# Altium PCB Mutiple.PcbDoc (part 3 of 3) (continued)
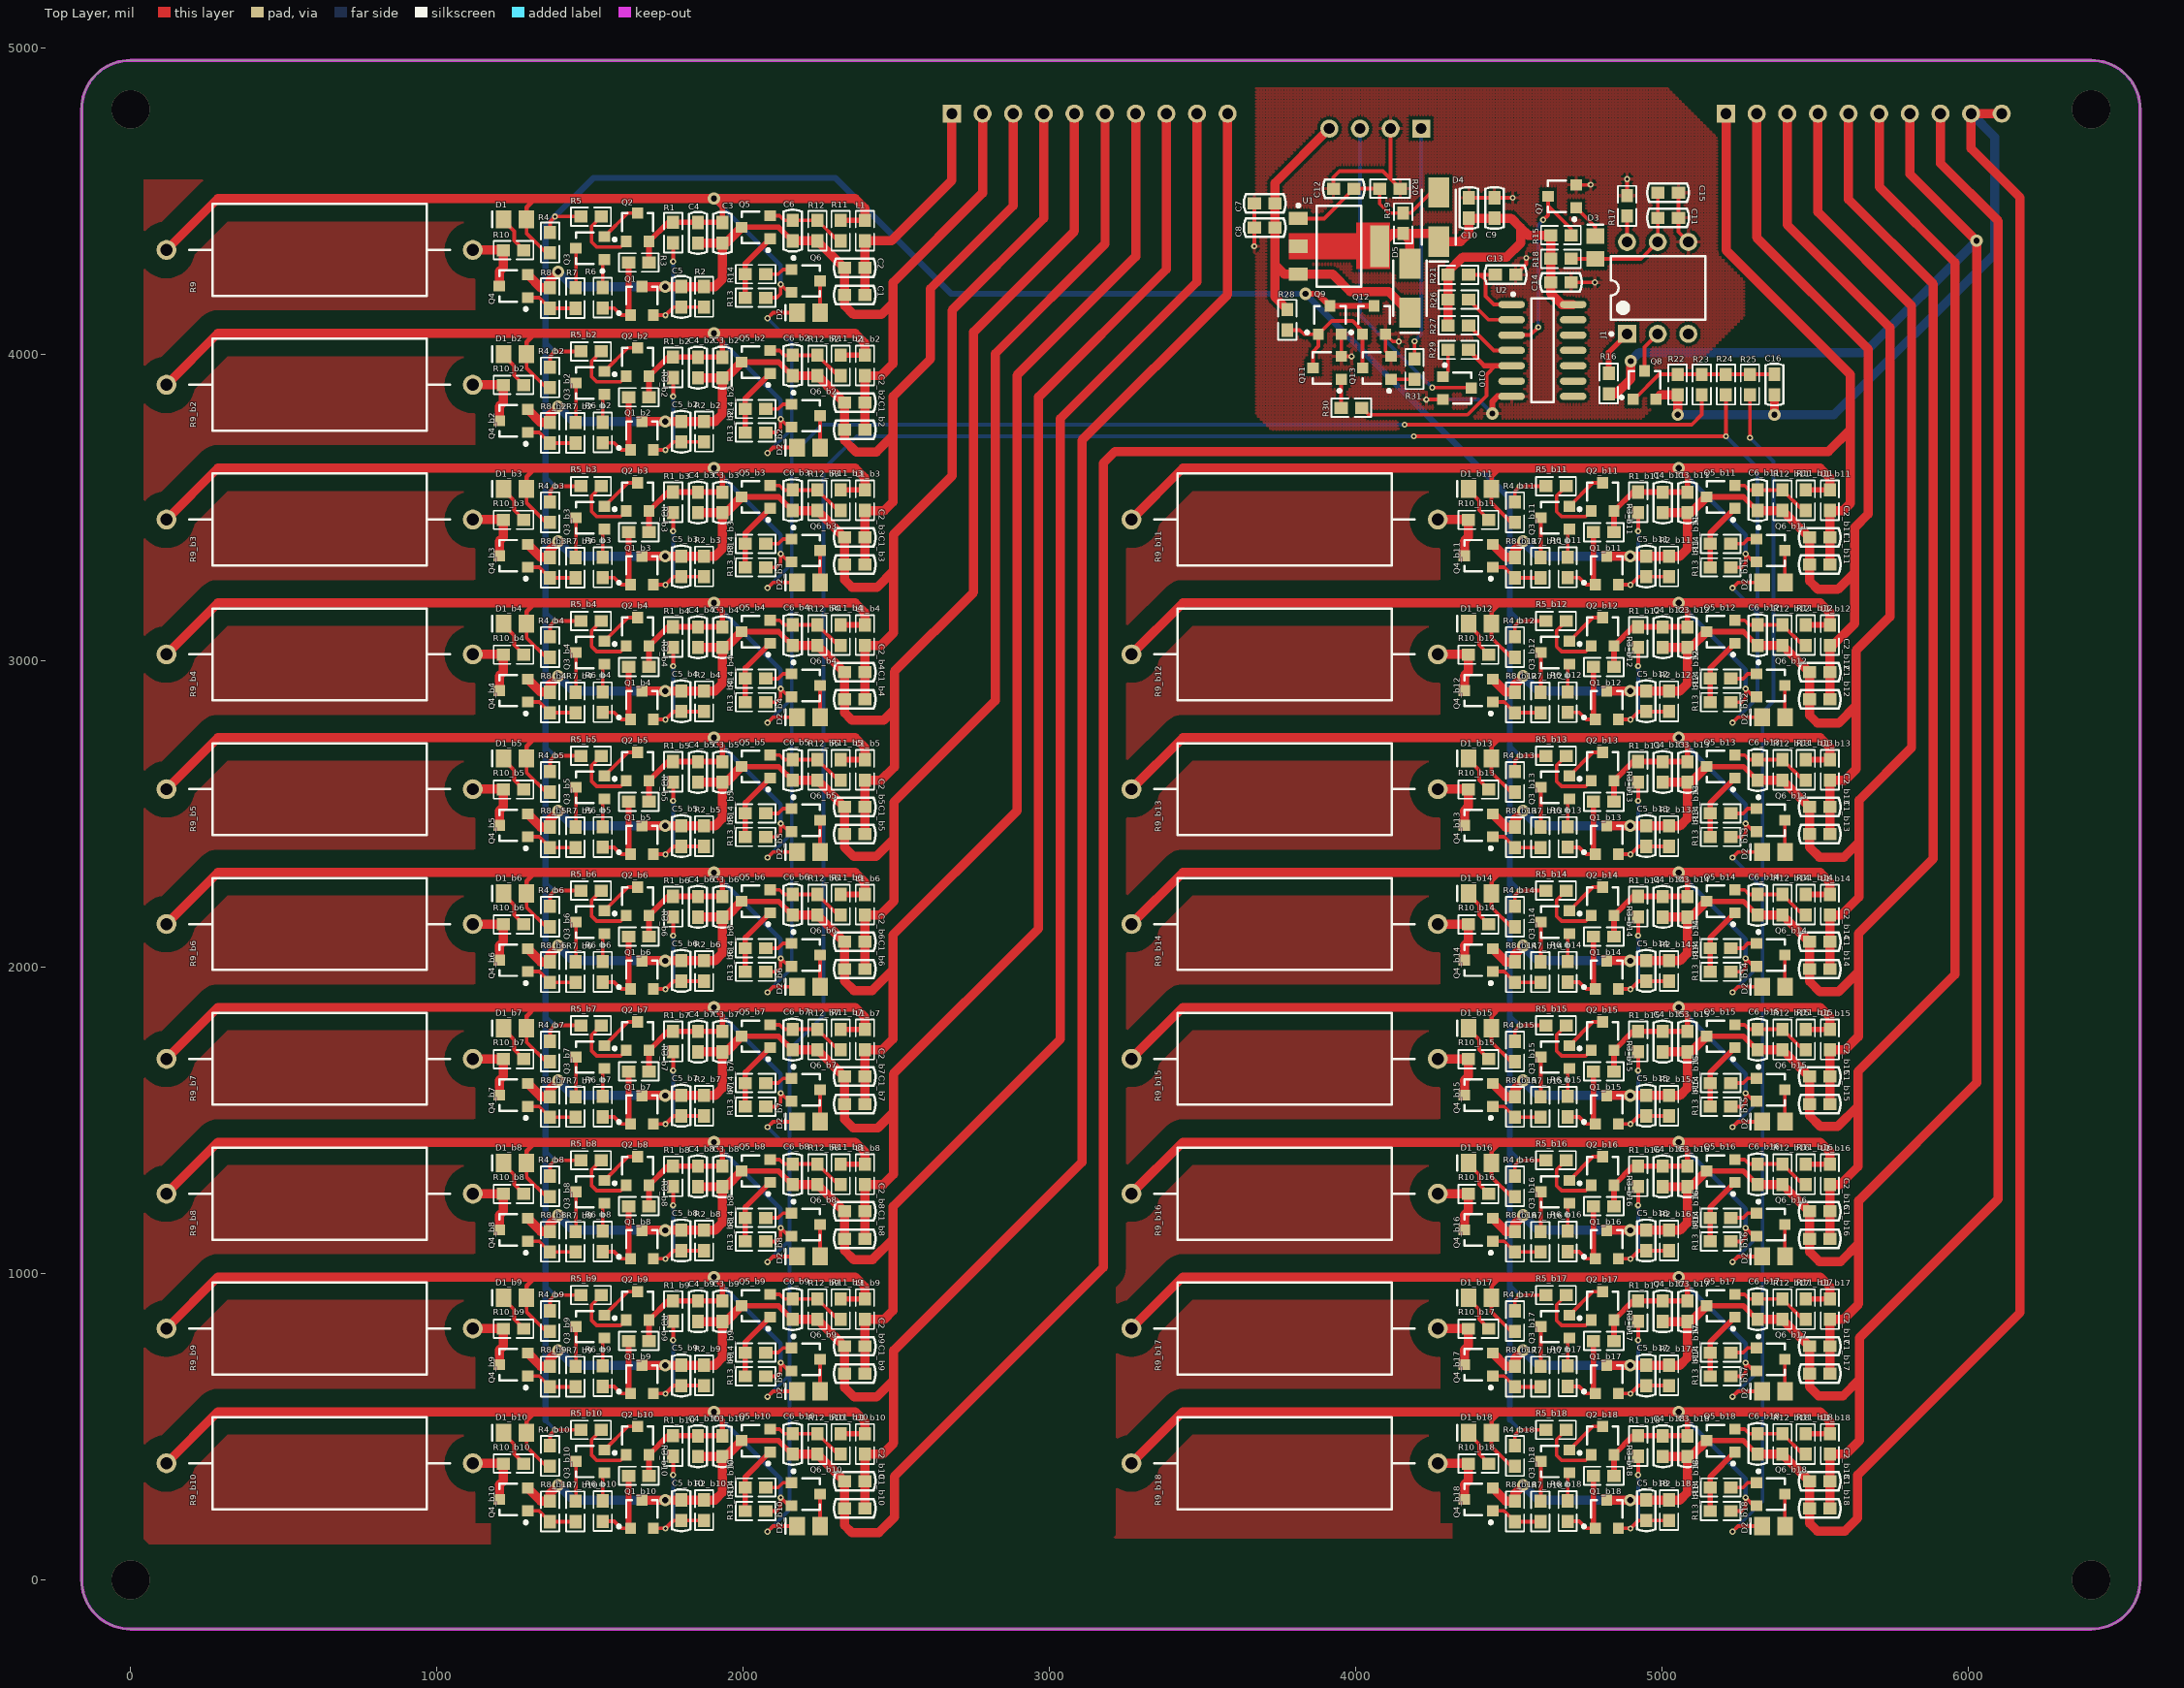
[diagram p0: Top Layer view]
## Nets (pads, with @x,y where several pads share a name; then routed paths per layer and width w, separated by ;. In a path a pad name is that pad's centre, name@x,y a point inside that pad or via, vN(x,y) a via of type N, cw(c..) or ccw(c..) an arc to the next point about the centre after c; other vN are vias at no path point) (continued)
NetQ2_b16_3: Q2_b16.3 Q3_b16.2 | length 140.6
  Top Layer w12: Q3_b16.2@4696.26,1304.4 4773.12,1381.26 Q2_b16.3@4805,1381.26
NetQ2_b17_1: Q2_b17.1 R5_b17.1 | length 223.1
  Top Layer w12: R5_b17.1@4686.46,930 4655,898.54 4655,846.62 4670.93,830.69 4749.54,830.69 Q2_b17.1@4767.6,848.74
NetQ2_b17_3: Q2_b17.3 Q3_b17.2 | length 140.6
  Top Layer w12: Q3_b17.2@4696.26,864.4 4773.12,941.26 Q2_b17.3@4805,941.26
NetQ2_b18_1: Q2_b18.1 R5_b18.1 | length 223.1
  Top Layer w12: R5_b18.1@4686.46,490 4655,458.54 4655,406.62 4670.93,390.69 4749.54,390.69 Q2_b18.1@4767.6,408.74
NetQ2_b18_3: Q2_b18.3 Q3_b18.2 | length 140.6
  Top Layer w12: Q3_b18.2@4696.26,424.4 4773.12,501.26 Q2_b18.3@4805,501.26
NetQ3_1: Q3.1 R6.1 | length 93.3
  Top Layer w12: R6.1@1541,4218.46 1541,4304.34 Q3.1@1546.26,4309.6
NetQ3_3: Q3.3 R7.1 | length 130.3
  Top Layer w12: R7.1@1452,4217.46 1453.74,4219.2 Q3.3@1453.74,4347
NetQ3_b2_1: Q3_b2.1 R6_b2.1 | length 93.3
  Top Layer w12: R6_b2.1@1541,3778.46 1541,3864.34 Q3_b2.1@1546.26,3869.6
NetQ3_b2_3: Q3_b2.3 R7_b2.1 | length 130.3
  Top Layer w12: R7_b2.1@1452,3777.46 1453.74,3779.2 Q3_b2.3@1453.74,3907
NetQ3_b3_1: Q3_b3.1 R6_b3.1 | length 93.3
  Top Layer w12: R6_b3.1@1541,3338.46 1541,3424.34 Q3_b3.1@1546.26,3429.6
NetQ3_b3_3: Q3_b3.3 R7_b3.1 | length 130.3
  Top Layer w12: R7_b3.1@1452,3337.46 1453.74,3339.2 Q3_b3.3@1453.74,3467
NetQ3_b4_1: Q3_b4.1 R6_b4.1 | length 93.3
  Top Layer w12: R6_b4.1@1541,2898.46 1541,2984.34 Q3_b4.1@1546.26,2989.6
NetQ3_b4_3: Q3_b4.3 R7_b4.1 | length 130.3
  Top Layer w12: R7_b4.1@1452,2897.46 1453.74,2899.2 Q3_b4.3@1453.74,3027
NetQ3_b5_1: Q3_b5.1 R6_b5.1 | length 93.3
  Top Layer w12: R6_b5.1@1541,2458.46 1541,2544.34 Q3_b5.1@1546.26,2549.6
NetQ3_b5_3: Q3_b5.3 R7_b5.1 | length 130.3
  Top Layer w12: R7_b5.1@1452,2457.46 1453.74,2459.2 Q3_b5.3@1453.74,2587
NetQ3_b6_1: Q3_b6.1 R6_b6.1 | length 93.3
  Top Layer w12: R6_b6.1@1541,2018.46 1541,2104.34 Q3_b6.1@1546.26,2109.6
NetQ3_b6_3: Q3_b6.3 R7_b6.1 | length 130.3
  Top Layer w12: R7_b6.1@1452,2017.46 1453.74,2019.2 Q3_b6.3@1453.74,2147
NetQ3_b7_1: Q3_b7.1 R6_b7.1 | length 93.3
  Top Layer w12: R6_b7.1@1541,1578.46 1541,1664.34 Q3_b7.1@1546.26,1669.6
NetQ3_b7_3: Q3_b7.3 R7_b7.1 | length 130.3
  Top Layer w12: R7_b7.1@1452,1577.46 1453.74,1579.2 Q3_b7.3@1453.74,1707
NetQ3_b8_1: Q3_b8.1 R6_b8.1 | length 93.3
  Top Layer w12: R6_b8.1@1541,1138.46 1541,1224.34 Q3_b8.1@1546.26,1229.6
NetQ3_b8_3: Q3_b8.3 R7_b8.1 | length 130.3
  Top Layer w12: R7_b8.1@1452,1137.46 1453.74,1139.2 Q3_b8.3@1453.74,1267
NetQ3_b9_1: Q3_b9.1 R6_b9.1 | length 93.3
  Top Layer w12: R6_b9.1@1541,698.46 1541,784.34 Q3_b9.1@1546.26,789.6
NetQ3_b9_3: Q3_b9.3 R7_b9.1 | length 130.3
  Top Layer w12: R7_b9.1@1452,697.46 1453.74,699.2 Q3_b9.3@1453.74,827
NetQ3_b10_1: Q3_b10.1 R6_b10.1 | length 93.3
  Top Layer w12: R6_b10.1@1541,258.46 1541,344.34 Q3_b10.1@1546.26,349.6
NetQ3_b10_3: Q3_b10.3 R7_b10.1 | length 130.3
  Top Layer w12: R7_b10.1@1452,257.46 1453.74,259.2 Q3_b10.3@1453.74,387
NetQ3_b11_1: Q3_b11.1 R6_b11.1 | length 93.3
  Top Layer w12: R6_b11.1@4691,3338.46 4691,3424.34 Q3_b11.1@4696.26,3429.6
NetQ3_b11_3: Q3_b11.3 R7_b11.1 | length 130.3
  Top Layer w12: R7_b11.1@4602,3337.46 4603.74,3339.2 Q3_b11.3@4603.74,3467
NetQ3_b12_1: Q3_b12.1 R6_b12.1 | length 93.3
  Top Layer w12: R6_b12.1@4691,2898.46 4691,2984.34 Q3_b12.1@4696.26,2989.6
NetQ3_b12_3: Q3_b12.3 R7_b12.1 | length 130.3
  Top Layer w12: R7_b12.1@4602,2897.46 4603.74,2899.2 Q3_b12.3@4603.74,3027
NetQ3_b13_1: Q3_b13.1 R6_b13.1 | length 93.3
  Top Layer w12: R6_b13.1@4691,2458.46 4691,2544.34 Q3_b13.1@4696.26,2549.6
NetQ3_b13_3: Q3_b13.3 R7_b13.1 | length 130.3
  Top Layer w12: R7_b13.1@4602,2457.46 4603.74,2459.2 Q3_b13.3@4603.74,2587
NetQ3_b14_1: Q3_b14.1 R6_b14.1 | length 93.3
  Top Layer w12: R6_b14.1@4691,2018.46 4691,2104.34 Q3_b14.1@4696.26,2109.6
NetQ3_b14_3: Q3_b14.3 R7_b14.1 | length 130.3
  Top Layer w12: R7_b14.1@4602,2017.46 4603.74,2019.2 Q3_b14.3@4603.74,2147
NetQ3_b15_1: Q3_b15.1 R6_b15.1 | length 93.3
  Top Layer w12: R6_b15.1@4691,1578.46 4691,1664.34 Q3_b15.1@4696.26,1669.6
NetQ3_b15_3: Q3_b15.3 R7_b15.1 | length 130.3
  Top Layer w12: R7_b15.1@4602,1577.46 4603.74,1579.2 Q3_b15.3@4603.74,1707
NetQ3_b16_1: Q3_b16.1 R6_b16.1 | length 93.3
  Top Layer w12: R6_b16.1@4691,1138.46 4691,1224.34 Q3_b16.1@4696.26,1229.6
NetQ3_b16_3: Q3_b16.3 R7_b16.1 | length 130.3
  Top Layer w12: R7_b16.1@4602,1137.46 4603.74,1139.2 Q3_b16.3@4603.74,1267
NetQ3_b17_1: Q3_b17.1 R6_b17.1 | length 93.3
  Top Layer w12: R6_b17.1@4691,698.46 4691,784.34 Q3_b17.1@4696.26,789.6
NetQ3_b17_3: Q3_b17.3 R7_b17.1 | length 130.3
  Top Layer w12: R7_b17.1@4602,697.46 4603.74,699.2 Q3_b17.3@4603.74,827
NetQ3_b18_1: Q3_b18.1 R6_b18.1 | length 93.3
  Top Layer w12: R6_b18.1@4691,258.46 4691,344.34 Q3_b18.1@4696.26,349.6
NetQ3_b18_3: Q3_b18.3 R7_b18.1 | length 130.3
  Top Layer w12: R7_b18.1@4602,257.46 4603.74,259.2 Q3_b18.3@4603.74,387
NetQ4_1: Q4.1 R7.2 R8.2 | length 170.3
  Top Layer w12: Q4.1@1296.26,4185.6 1333.94,4185.6 R8.2@1369,4150.54 R7.2@1452,4150.54
NetQ4_3: Q4.3 R9.1 R10.1 | length 220.8
  Top Layer w30: R9.1@1117,4341 R10.1@1215.54,4341 ; Q4.3@1203.74,4223 1203.74,4270.74 1216.54,4283.54 R10.1@1216.54,4340
NetQ4_b2_1: Q4_b2.1 R7_b2.2 R8_b2.2 | length 170.3
  Top Layer w12: Q4_b2.1@1296.26,3745.6 1333.94,3745.6 R8_b2.2@1369,3710.54 R7_b2.2@1452,3710.54
NetQ4_b2_3: Q4_b2.3 R9_b2.1 R10_b2.1 | length 220.8
  Top Layer w30: R9_b2.1@1117,3901 R10_b2.1@1215.54,3901 ; Q4_b2.3@1203.74,3783 1203.74,3830.74 1216.54,3843.54 R10_b2.1@1216.54,3900
NetQ4_b3_1: Q4_b3.1 R7_b3.2 R8_b3.2 | length 170.3
  Top Layer w12: Q4_b3.1@1296.26,3305.6 1333.94,3305.6 R8_b3.2@1369,3270.54 R7_b3.2@1452,3270.54
NetQ4_b3_3: Q4_b3.3 R9_b3.1 R10_b3.1 | length 220.8
  Top Layer w30: R9_b3.1@1117,3461 R10_b3.1@1215.54,3461 ; Q4_b3.3@1203.74,3343 1203.74,3390.74 1216.54,3403.54 R10_b3.1@1216.54,3460
NetQ4_b4_1: Q4_b4.1 R7_b4.2 R8_b4.2 | length 170.3
  Top Layer w12: Q4_b4.1@1296.26,2865.6 1333.94,2865.6 R8_b4.2@1369,2830.54 R7_b4.2@1452,2830.54
NetQ4_b4_3: Q4_b4.3 R9_b4.1 R10_b4.1 | length 220.8
  Top Layer w30: R9_b4.1@1117,3021 R10_b4.1@1215.54,3021 ; Q4_b4.3@1203.74,2903 1203.74,2950.74 1216.54,2963.54 R10_b4.1@1216.54,3020
NetQ4_b5_1: Q4_b5.1 R7_b5.2 R8_b5.2 | length 170.3
  Top Layer w12: Q4_b5.1@1296.26,2425.6 1333.94,2425.6 R8_b5.2@1369,2390.54 R7_b5.2@1452,2390.54
NetQ4_b5_3: Q4_b5.3 R9_b5.1 R10_b5.1 | length 220.8
  Top Layer w30: R9_b5.1@1117,2581 R10_b5.1@1215.54,2581 ; Q4_b5.3@1203.74,2463 1203.74,2510.74 1216.54,2523.54 R10_b5.1@1216.54,2580
NetQ4_b6_1: Q4_b6.1 R7_b6.2 R8_b6.2 | length 170.3
  Top Layer w12: Q4_b6.1@1296.26,1985.6 1333.94,1985.6 R8_b6.2@1369,1950.54 R7_b6.2@1452,1950.54
NetQ4_b6_3: Q4_b6.3 R9_b6.1 R10_b6.1 | length 220.8
  Top Layer w30: R9_b6.1@1117,2141 R10_b6.1@1215.54,2141 ; Q4_b6.3@1203.74,2023 1203.74,2070.74 1216.54,2083.54 R10_b6.1@1216.54,2140
NetQ4_b7_1: Q4_b7.1 R7_b7.2 R8_b7.2 | length 170.3
  Top Layer w12: Q4_b7.1@1296.26,1545.6 1333.94,1545.6 R8_b7.2@1369,1510.54 R7_b7.2@1452,1510.54
NetQ4_b7_3: Q4_b7.3 R9_b7.1 R10_b7.1 | length 220.8
  Top Layer w30: R9_b7.1@1117,1701 R10_b7.1@1215.54,1701 ; Q4_b7.3@1203.74,1583 1203.74,1630.74 1216.54,1643.54 R10_b7.1@1216.54,1700
NetQ4_b8_1: Q4_b8.1 R7_b8.2 R8_b8.2 | length 170.3
  Top Layer w12: Q4_b8.1@1296.26,1105.6 1333.94,1105.6 R8_b8.2@1369,1070.54 R7_b8.2@1452,1070.54
NetQ4_b8_3: Q4_b8.3 R9_b8.1 R10_b8.1 | length 220.8
  Top Layer w30: R9_b8.1@1117,1261 R10_b8.1@1215.54,1261 ; Q4_b8.3@1203.74,1143 1203.74,1190.74 1216.54,1203.54 R10_b8.1@1216.54,1260
NetQ4_b9_1: Q4_b9.1 R7_b9.2 R8_b9.2 | length 170.3
  Top Layer w12: Q4_b9.1@1296.26,665.6 1333.94,665.6 R8_b9.2@1369,630.54 R7_b9.2@1452,630.54
NetQ4_b9_3: Q4_b9.3 R9_b9.1 R10_b9.1 | length 220.8
  Top Layer w30: R9_b9.1@1117,821 R10_b9.1@1215.54,821 ; Q4_b9.3@1203.74,703 1203.74,750.74 1216.54,763.54 R10_b9.1@1216.54,820
NetQ4_b10_1: Q4_b10.1 R7_b10.2 R8_b10.2 | length 170.3
  Top Layer w12: Q4_b10.1@1296.26,225.6 1333.94,225.6 R8_b10.2@1369,190.54 R7_b10.2@1452,190.54
NetQ4_b10_3: Q4_b10.3 R9_b10.1 R10_b10.1 | length 220.8
  Top Layer w30: R9_b10.1@1117,381 R10_b10.1@1215.54,381 ; Q4_b10.3@1203.74,263 1203.74,310.74 1216.54,323.54 R10_b10.1@1216.54,380
NetQ4_b11_1: Q4_b11.1 R7_b11.2 R8_b11.2 | length 170.3
  Top Layer w12: Q4_b11.1@4446.26,3305.6 4483.94,3305.6 R8_b11.2@4519,3270.54 R7_b11.2@4602,3270.54
NetQ4_b11_3: Q4_b11.3 R9_b11.1 R10_b11.1 | length 220.8
  Top Layer w30: R9_b11.1@4267,3461 R10_b11.1@4365.54,3461 ; Q4_b11.3@4353.74,3343 4353.74,3390.74 4366.54,3403.54 R10_b11.1@4366.54,3460
NetQ4_b12_1: Q4_b12.1 R7_b12.2 R8_b12.2 | length 170.3
  Top Layer w12: Q4_b12.1@4446.26,2865.6 4483.94,2865.6 R8_b12.2@4519,2830.54 R7_b12.2@4602,2830.54
NetQ4_b12_3: Q4_b12.3 R9_b12.1 R10_b12.1 | length 220.8
  Top Layer w30: R9_b12.1@4267,3021 R10_b12.1@4365.54,3021 ; Q4_b12.3@4353.74,2903 4353.74,2950.74 4366.54,2963.54 R10_b12.1@4366.54,3020
NetQ4_b13_1: Q4_b13.1 R7_b13.2 R8_b13.2 | length 170.3
  Top Layer w12: Q4_b13.1@4446.26,2425.6 4483.94,2425.6 R8_b13.2@4519,2390.54 R7_b13.2@4602,2390.54
NetQ4_b13_3: Q4_b13.3 R9_b13.1 R10_b13.1 | length 220.8
  Top Layer w30: R9_b13.1@4267,2581 R10_b13.1@4365.54,2581 ; Q4_b13.3@4353.74,2463 4353.74,2510.74 4366.54,2523.54 R10_b13.1@4366.54,2580
NetQ4_b14_1: Q4_b14.1 R7_b14.2 R8_b14.2 | length 170.3
  Top Layer w12: Q4_b14.1@4446.26,1985.6 4483.94,1985.6 R8_b14.2@4519,1950.54 R7_b14.2@4602,1950.54
NetQ4_b14_3: Q4_b14.3 R9_b14.1 R10_b14.1 | length 220.8
  Top Layer w30: R9_b14.1@4267,2141 R10_b14.1@4365.54,2141 ; Q4_b14.3@4353.74,2023 4353.74,2070.74 4366.54,2083.54 R10_b14.1@4366.54,2140
NetQ4_b15_1: Q4_b15.1 R7_b15.2 R8_b15.2 | length 170.3
  Top Layer w12: Q4_b15.1@4446.26,1545.6 4483.94,1545.6 R8_b15.2@4519,1510.54 R7_b15.2@4602,1510.54
NetQ4_b15_3: Q4_b15.3 R9_b15.1 R10_b15.1 | length 220.8
  Top Layer w30: R9_b15.1@4267,1701 R10_b15.1@4365.54,1701 ; Q4_b15.3@4353.74,1583 4353.74,1630.74 4366.54,1643.54 R10_b15.1@4366.54,1700
NetQ4_b16_1: Q4_b16.1 R7_b16.2 R8_b16.2 | length 170.3
  Top Layer w12: Q4_b16.1@4446.26,1105.6 4483.94,1105.6 R8_b16.2@4519,1070.54 R7_b16.2@4602,1070.54
NetQ4_b16_3: Q4_b16.3 R9_b16.1 R10_b16.1 | length 220.8
  Top Layer w30: R9_b16.1@4267,1261 R10_b16.1@4365.54,1261 ; Q4_b16.3@4353.74,1143 4353.74,1190.74 4366.54,1203.54 R10_b16.1@4366.54,1260
NetQ4_b17_1: Q4_b17.1 R7_b17.2 R8_b17.2 | length 170.3
  Top Layer w12: Q4_b17.1@4446.26,665.6 4483.94,665.6 R8_b17.2@4519,630.54 R7_b17.2@4602,630.54
NetQ4_b17_3: Q4_b17.3 R9_b17.1 R10_b17.1 | length 220.8
  Top Layer w30: R9_b17.1@4267,821 R10_b17.1@4365.54,821 ; Q4_b17.3@4353.74,703 4353.74,750.74 4366.54,763.54 R10_b17.1@4366.54,820
NetQ4_b18_1: Q4_b18.1 R7_b18.2 R8_b18.2 | length 170.3
  Top Layer w12: Q4_b18.1@4446.26,225.6 4483.94,225.6 R8_b18.2@4519,190.54 R7_b18.2@4602,190.54
NetQ4_b18_3: Q4_b18.3 R9_b18.1 R10_b18.1 | length 220.8
  Top Layer w30: R9_b18.1@4267,381 R10_b18.1@4365.54,381 ; Q4_b18.3@4353.74,263 4353.74,310.74 4366.54,323.54 R10_b18.1@4366.54,380
NetQ5_1: Q5.1 R13.1 R14.2 | length 226
  Top Layer w18: R13.1@2006.54,4185 R14.2@2006.54,4262 2006.54,4296.87 Q5.1@2087.26,4377.6
NetQ5_b2_1: Q5_b2.1 R13_b2.1 R14_b2.2 | length 226
  Top Layer w18: R13_b2.1@2006.54,3745 R14_b2.2@2006.54,3822 2006.54,3856.87 Q5_b2.1@2087.26,3937.6
NetQ5_b3_1: Q5_b3.1 R13_b3.1 R14_b3.2 | length 226
  Top Layer w18: R13_b3.1@2006.54,3305 R14_b3.2@2006.54,3382 2006.54,3416.87 Q5_b3.1@2087.26,3497.6
NetQ5_b4_1: Q5_b4.1 R13_b4.1 R14_b4.2 | length 226
  Top Layer w18: R13_b4.1@2006.54,2865 R14_b4.2@2006.54,2942 2006.54,2976.87 Q5_b4.1@2087.26,3057.6
NetQ5_b5_1: Q5_b5.1 R13_b5.1 R14_b5.2 | length 226
  Top Layer w18: R13_b5.1@2006.54,2425 R14_b5.2@2006.54,2502 2006.54,2536.87 Q5_b5.1@2087.26,2617.6
NetQ5_b6_1: Q5_b6.1 R13_b6.1 R14_b6.2 | length 226
  Top Layer w18: R13_b6.1@2006.54,1985 R14_b6.2@2006.54,2062 2006.54,2096.87 Q5_b6.1@2087.26,2177.6
NetQ5_b7_1: Q5_b7.1 R13_b7.1 R14_b7.2 | length 226
  Top Layer w18: R13_b7.1@2006.54,1545 R14_b7.2@2006.54,1622 2006.54,1656.87 Q5_b7.1@2087.26,1737.6
NetQ5_b8_1: Q5_b8.1 R13_b8.1 R14_b8.2 | length 226
  Top Layer w18: R13_b8.1@2006.54,1105 R14_b8.2@2006.54,1182 2006.54,1216.87 Q5_b8.1@2087.26,1297.6
NetQ5_b9_1: Q5_b9.1 R13_b9.1 R14_b9.2 | length 226
  Top Layer w18: R13_b9.1@2006.54,665 R14_b9.2@2006.54,742 2006.54,776.87 Q5_b9.1@2087.26,857.6
NetQ5_b10_1: Q5_b10.1 R13_b10.1 R14_b10.2 | length 226
  Top Layer w18: R13_b10.1@2006.54,225 R14_b10.2@2006.54,302 2006.54,336.87 Q5_b10.1@2087.26,417.6
NetQ5_b11_1: Q5_b11.1 R13_b11.1 R14_b11.2 | length 226
  Top Layer w18: R13_b11.1@5156.54,3305 R14_b11.2@5156.54,3382 5156.54,3416.87 Q5_b11.1@5237.26,3497.6
NetQ5_b12_1: Q5_b12.1 R13_b12.1 R14_b12.2 | length 226
  Top Layer w18: R13_b12.1@5156.54,2865 R14_b12.2@5156.54,2942 5156.54,2976.87 Q5_b12.1@5237.26,3057.6
NetQ5_b13_1: Q5_b13.1 R13_b13.1 R14_b13.2 | length 226
  Top Layer w18: R13_b13.1@5156.54,2425 R14_b13.2@5156.54,2502 5156.54,2536.87 Q5_b13.1@5237.26,2617.6
NetQ5_b14_1: Q5_b14.1 R13_b14.1 R14_b14.2 | length 226
  Top Layer w18: R13_b14.1@5156.54,1985 R14_b14.2@5156.54,2062 5156.54,2096.87 Q5_b14.1@5237.26,2177.6
NetQ5_b15_1: Q5_b15.1 R13_b15.1 R14_b15.2 | length 226
  Top Layer w18: R13_b15.1@5156.54,1545 R14_b15.2@5156.54,1622 5156.54,1656.87 Q5_b15.1@5237.26,1737.6
NetQ5_b16_1: Q5_b16.1 R13_b16.1 R14_b16.2 | length 226
  Top Layer w18: R13_b16.1@5156.54,1105 R14_b16.2@5156.54,1182 5156.54,1216.87 Q5_b16.1@5237.26,1297.6
NetQ5_b17_1: Q5_b17.1 R13_b17.1 R14_b17.2 | length 226
  Top Layer w18: R13_b17.1@5156.54,665 R14_b17.2@5156.54,742 5156.54,776.87 Q5_b17.1@5237.26,857.6
NetQ5_b18_1: Q5_b18.1 R13_b18.1 R14_b18.2 | length 226
  Top Layer w18: R13_b18.1@5156.54,225 R14_b18.2@5156.54,302 5156.54,336.87 Q5_b18.1@5237.26,417.6
NetQ6_1: Q6.1 R14.1 | length 90.7
  Top Layer w12: R14.1@2073.46,4262 2114,4262 2129.4,4277.4 Q6.1@2157.74,4277.4
NetQ6_b2_1: Q6_b2.1 R14_b2.1 | length 90.7
  Top Layer w12: R14_b2.1@2073.46,3822 2114,3822 2129.4,3837.4 Q6_b2.1@2157.74,3837.4
NetQ6_b3_1: Q6_b3.1 R14_b3.1 | length 90.7
  Top Layer w12: R14_b3.1@2073.46,3382 2114,3382 2129.4,3397.4 Q6_b3.1@2157.74,3397.4
NetQ6_b4_1: Q6_b4.1 R14_b4.1 | length 90.7
  Top Layer w12: R14_b4.1@2073.46,2942 2114,2942 2129.4,2957.4 Q6_b4.1@2157.74,2957.4
NetQ6_b5_1: Q6_b5.1 R14_b5.1 | length 90.7
  Top Layer w12: R14_b5.1@2073.46,2502 2114,2502 2129.4,2517.4 Q6_b5.1@2157.74,2517.4
NetQ6_b6_1: Q6_b6.1 R14_b6.1 | length 90.7
  Top Layer w12: R14_b6.1@2073.46,2062 2114,2062 2129.4,2077.4 Q6_b6.1@2157.74,2077.4
NetQ6_b7_1: Q6_b7.1 R14_b7.1 | length 90.7
  Top Layer w12: R14_b7.1@2073.46,1622 2114,1622 2129.4,1637.4 Q6_b7.1@2157.74,1637.4
NetQ6_b8_1: Q6_b8.1 R14_b8.1 | length 90.7
  Top Layer w12: R14_b8.1@2073.46,1182 2114,1182 2129.4,1197.4 Q6_b8.1@2157.74,1197.4
NetQ6_b9_1: Q6_b9.1 R14_b9.1 | length 90.7
  Top Layer w12: R14_b9.1@2073.46,742 2114,742 2129.4,757.4 Q6_b9.1@2157.74,757.4
NetQ6_b10_1: Q6_b10.1 R14_b10.1 | length 90.7
  Top Layer w12: R14_b10.1@2073.46,302 2114,302 2129.4,317.4 Q6_b10.1@2157.74,317.4
NetQ6_b11_1: Q6_b11.1 R14_b11.1 | length 90.7
  Top Layer w12: R14_b11.1@5223.46,3382 5264,3382 5279.4,3397.4 Q6_b11.1@5307.74,3397.4
NetQ6_b12_1: Q6_b12.1 R14_b12.1 | length 90.7
  Top Layer w12: R14_b12.1@5223.46,2942 5264,2942 5279.4,2957.4 Q6_b12.1@5307.74,2957.4
NetQ6_b13_1: Q6_b13.1 R14_b13.1 | length 90.7
  Top Layer w12: R14_b13.1@5223.46,2502 5264,2502 5279.4,2517.4 Q6_b13.1@5307.74,2517.4
NetQ6_b14_1: Q6_b14.1 R14_b14.1 | length 90.7
  Top Layer w12: R14_b14.1@5223.46,2062 5264,2062 5279.4,2077.4 Q6_b14.1@5307.74,2077.4
NetQ6_b15_1: Q6_b15.1 R14_b15.1 | length 90.7
  Top Layer w12: R14_b15.1@5223.46,1622 5264,1622 5279.4,1637.4 Q6_b15.1@5307.74,1637.4
NetQ6_b16_1: Q6_b16.1 R14_b16.1 | length 90.7
  Top Layer w12: R14_b16.1@5223.46,1182 5264,1182 5279.4,1197.4 Q6_b16.1@5307.74,1197.4
NetQ6_b17_1: Q6_b17.1 R14_b17.1 | length 90.7
  Top Layer w12: R14_b17.1@5223.46,742 5264,742 5279.4,757.4 Q6_b17.1@5307.74,757.4
NetQ6_b18_1: Q6_b18.1 R14_b18.1 | length 90.7
  Top Layer w12: R14_b18.1@5223.46,302 5264,302 5279.4,317.4 Q6_b18.1@5307.74,317.4
NetQ10_1: Q10.1 R29.2 | length 94.6
  Top Layer w12: Q10.1@4283.74,3927.4 4300.54,3944.2 R29.2@4300.54,4015
NetQ11_1: Q11.1 R30.2 | length 91.9
  Top Layer w12: R30.2@3951.54,3826 Q11.1@3951.54,3917.87
NetQ13_1: Q13.1 R31.2 | length 76.8
  Top Layer w12: Q13.1@4114.26,3918.6 4190.94,3918.6 R31.2@4191,3918.54
NetR26_1: R26.1 U2.2 | length 167.9
  Top Layer w12: R26.1@4367.46,4179 4433.46,4113 U2.2@4508,4113
NetR27_1: R27.1 U2.4 | length 174.5
  Top Layer w12: R27.1@4367.46,4095 4449.46,4013 U2.4@4508,4013
OFF: P3.1 R31.1 | length 760.6
  Top Layer w12: R31.1@4191,3985.46 v1(4191,4043)
  Bottom Layer w12: v1(4191,4043) 4213,4065 P3.1@4213,4737
OFF_S: R29.1 R30.1 U2.5 | length 714.8
  Top Layer w12: R30.1@4018.46,3826 4041.46,3803 4364,3803 4426,3865 4426,3934 4455,3963
  Top Layer w15: R29.1@4367.46,4015 4419.46,3963
  Top Layer w18: 4419.46,3963 4455,3963 U2.5@4508,3963
OUT5: D2.2 D2_b2.2 D2_b3.2 D2_b4.2 D2_b5.2 D2_b6.2 R23.1 | length 6426.6
  Top Layer w12: v1(2079,1918) 2097,1936 D2_b6.2@2175.6,1936 ; v1(2079,2358) 2097,2376 D2_b5.2@2175.6,2376 ; v1(2079,2798) 2097,2816 D2_b4.2@2175.6,2816 ; v1(2079,3238) 2097,3256 D2_b3.2@2175.6,3256 ; v1(2079,3678) 2097,3696 D2_b2.2@2175.6,3696 ; v1(2079,4118) 2097,4136 D2.2@2175.6,4136 ; v1(4159,3771) 5096,3771 5128.67,3803.67 R23.1@5128.67,3868
  Bottom Layer w12: v1(2079,1918) 2158,1997 2158,2437 ; v1(2079,2358) 2158,2437 ; v1(2079,2798) 2158,2877 ; v1(2079,3238) 2158,3317 ; v1(2079,3678) 2158,3757 ; v1(2079,4118) 2158,4039 2158,3757 ; v1(4159,3771) 2258,3771 2158,3671 ; 2158,2437 2158,2877 ; 2158,2877 2158,3317 ; 2158,3317 2158,3671 ; 2158,3671 2158,3757
OUT11: D2_b7.2 D2_b8.2 D2_b9.2 D2_b10.2 D2_b11.2 D2_b12.2 R24.1 | length 8730.5
  Top Layer w12: v1(2079,158) 2097,176 D2_b10.2@2175.6,176 ; v1(2079,598) 2097,616 D2_b9.2@2175.6,616 ; v1(2079,1038) 2097,1056 D2_b8.2@2175.6,1056 ; v1(2079,1478) 2097,1496 D2_b7.2@2175.6,1496 ; v1(4189,3733) v1(5208,3733) 5207.33,3733.67 R24.1@5207.33,3868 ; v1(5229,2798) 5247,2816 D2_b12.2@5325.6,2816 ; v1(5229,3238) 5247,3256 D2_b11.2@5325.6,3256
  Bottom Layer w12: v1(2079,158) 2151,230 2151,669 ; v1(2079,598) 2150,669 2151,669 ; v1(2079,1038) 2151,1110 ; v1(2079,1478) 2151,1406 ; v1(4189,3733) 2370,3733 2270,3633 2262,3633 2262,1843 2151,1732 2151,1406 ; v1(5208,3733) 5311,3630 5311,3156 ; v1(5229,2798) 5311,2880 5311,3156 ; v1(5229,3238) 5311,3156 ; 2151,669 2151,1110 ; 2151,1110 2151,1406
OUT17: D2_b13.2 D2_b14.2 D2_b15.2 D2_b16.2 D2_b17.2 D2_b18.2 R25.1 | length 5113
  Top Layer w12: v1(5229,158) 5247,176 D2_b18.2@5325.6,176 ; v1(5229,598) 5247,616 D2_b17.2@5325.6,616 ; v1(5229,1038) 5247,1056 D2_b16.2@5325.6,1056 ; v1(5229,1478) 5247,1496 D2_b15.2@5325.6,1496 ; v1(5229,1918) 5247,1936 D2_b14.2@5325.6,1936 ; v1(5229,2358) 5247,2376 D2_b13.2@5325.6,2376 ; v1(5286,3728) R25.1@5286,3868
  Bottom Layer w12: v1(5229,158) 5327,256 5327,695 ; v1(5229,598) 5326,695 5327,695 ; v1(5229,1038) 5327,1136 ; v1(5229,1478) 5324,1573 5327,1573 ; v1(5229,1918) 5327,2016 ; v1(5229,2358) 5327,2260 ; v1(5286,3728) 5363,3651 5363,2869 5327,2833 5327,2260 ; 5327,695 5327,1136 ; 5327,1136 5327,1573 ; 5327,1573 5327,2016 ; 5327,2016 5327,2260
OUT_G17: Q9.3 Q12.3 R4.2 R4_b2.2 R4_b3.2 R4_b4.2 R4_b5.2 R4_b6.2 R4_b7.2 R4_b8.2 R4_b9.2 R4_b10.2 R4_b11.2 R4_b12.2 R4_b13.2 R4_b14.2 R4_b15.2 R4_b16.2 R4_b17.2 R4_b18.2 R5.2 R5_b2.2 R5_b3.2 R5_b4.2 R5_b5.2 R5_b6.2 R5_b7.2 R5_b8.2 R5_b9.2 R5_b10.2 R5_b11.2 R5_b12.2 R5_b13.2 R5_b14.2 R5_b15.2 R5_b16.2 R5_b17.2 R5_b18.2 | length 14133.6
  Top Layer w12: R4_b10.2@1369,438.46 1369,474 v1(1385,490) R5_b10.2@1469.54,490 ; R4_b9.2@1369,878.46 1369,914 v1(1385,930) R5_b9.2@1469.54,930 ; R4_b8.2@1369,1318.46 1369,1354 v1(1385,1370) R5_b8.2@1469.54,1370 ; R4_b7.2@1369,1758.46 1369,1794 v1(1385,1810) R5_b7.2@1469.54,1810 ; R4_b6.2@1369,2198.46 1369,2234 v1(1385,2250) R5_b6.2@1469.54,2250 ; R4_b5.2@1369,2638.46 1369,2674 v1(1385,2690) R5_b5.2@1469.54,2690 ; R4_b4.2@1369,3078.46 1369,3114 v1(1385,3130) R5_b4.2@1469.54,3130 ; R4_b3.2@1369,3518.46 1369,3554 v1(1385,3570) R5_b3.2@1469.54,3570 ; R4_b2.2@1369,3958.46 1369,3994 v1(1385,4010) R5_b2.2@1469.54,4010 ; R4.2@1369,4398.46 1369,4434 v1(1385,4450) R5.2@1469.54,4450 ; R4_b18.2@4519,438.46 4519,474 v1(4535,490) R5_b18.2@4619.54,490 ; R4_b17.2@4519,878.46 4519,914 v1(4535,930) R5_b17.2@4619.54,930 ; R4_b16.2@4519,1318.46 4519,1354 v1(4535,1370) R5_b16.2@4619.54,1370 ; R4_b15.2@4519,1758.46 4519,1794 v1(4535,1810) R5_b15.2@4619.54,1810 ; R4_b14.2@4519,2198.46 4519,2234 v1(4535,2250) R5_b14.2@4619.54,2250 ; R4_b13.2@4519,2638.46 4519,2674 v1(4535,2690) R5_b13.2@4619.54,2690 ; R4_b12.2@4519,3078.46 4519,3114 v1(4535,3130) R5_b12.2@4619.54,3130 ; R4_b11.2@4519,3518.46 4519,3554 v1(4535,3570) R5_b11.2@4619.54,3570
  Top Layer w20: v2(3835,4198) 3875.26,4198 Q9.3@3915,4158.26 Q12.3@4059,4158.26
  Bottom Layer w12: 1354,521 v1(1385,490) ; 1354,961 v1(1385,930) ; 1354,1401 v1(1385,1370) ; 1354,1841 v1(1385,1810) ; 1354,2278 1382,2250 v1(1385,2250) ; 1354,2721 v1(1385,2690) ; 1354,3161 v1(1385,3130) ; 1354,3601 v1(1385,3570) ; 1354,4041 v1(1385,4010) ; 4502,523 v1(4535,490) ; 4502,963 v1(4535,930) ; 4502,1403 v1(4535,1370) ; 4502,1843 v1(4535,1810) ; 4502,2283 v1(4535,2250) ; 4502,2723 v1(4535,2690) ; 4502,3163 v1(4535,3130) ; 4502,3531 4502,3537 v1(4535,3570)
  Bottom Layer w20: 1354,521 1354,961 1354,1401 1354,1841 1354,2278 1354,2721 1354,3161 1354,3601 1354,4041 1354,4419 v1(1385,4450) 1511,4576 2301,4576 2679,4198 v2(3835,4198) 4502,3531 4502,3163 4502,2723 4502,2283 4502,1843 4502,1403 4502,963 4502,523
pads on no net: J1.3 U2.6 U2.8 U2.9 U2.10 U2.11 U2.12 U2.13
copper on no net:
  other v3: 0,0 6400,0 0,4800 6400,4800

## Polygon pours and split planes (outlines as drawn)
C- on Top Layer "C-_L01_P020" (hatched 90Degree grid 10 track 8, remove dead copper, pour order 20): 3674,4870 3674,3803 3723,3754 4492,3754 4897,3754 5254,4111 5267,4124 5267,4621 5264,4621 5051,4834 5017,4868 3671,4868
IN_B17 on Top Layer "IN_B17_L01_P026" (solid, pour order 26): 43,4571 1175,4571 1177,4569 1175,4567 1175,117 60,117 43,134 43,4571
IN_B17 on Top Layer "IN_B17_L01_P028" (solid, pour order 28): 3217,3667 4321,3667 4322,3668 4315,3661 4315,135 3213,135 3209,139 3217,147 3217,3667
C- on Bottom Layer "C-_L02_P022" (hatched 90Degree grid 10 track 8, remove dead copper, pour order 22): 3671,4868 3671,3803 3725,3749 3730,3744 4913,3744 4918,3744 5282,4108 5290,4116 5290,4593 5290,4606 5026,4870 3671,4870
IN_B17 on Bottom Layer "IN_B17_L02_P024" (solid, pour order 24): 42,4571 1175,4571 1175,118 55,118 53,120 42,131 42,4571
IN_B17 on Bottom Layer "IN_B17_L02_P030" (solid, pour order 30): 3223,3659 4314,3659 4316,3657 4316,136 3223,136 3214,145 3223,154 3223,3659

## Keep-outs
Keep-Out Layer:
  the board outline again, w10

## Other copper
Top Layer:
  rectangle net 5V: 3780,4310 4111,4395
  rectangle net 5V: 4000,4279 4111,4431

## Dimensions
-492,-160.06 to -506,4959.94 on Keep-Out Layer
6558,-154 to -162,-280 on Keep-Out Layer